# Altium PCB PCB1.PcbDoc (part 3 of 5)
Units mm, origin at the board's own origin, x right, y up, seen from the top; angles counter-clockwise.
Board outline 200 x 70 mm, 6 copper layers (Top Layer, Int1 (GND), Int2 (Sign), Int3 (Sign), Int4 (GND), Bottom Layer), stack 1.597 mm thick; 431 components, 275 nets, 1294 pads, 544 vias.
Unrouted connection lines stored in the file: 265.
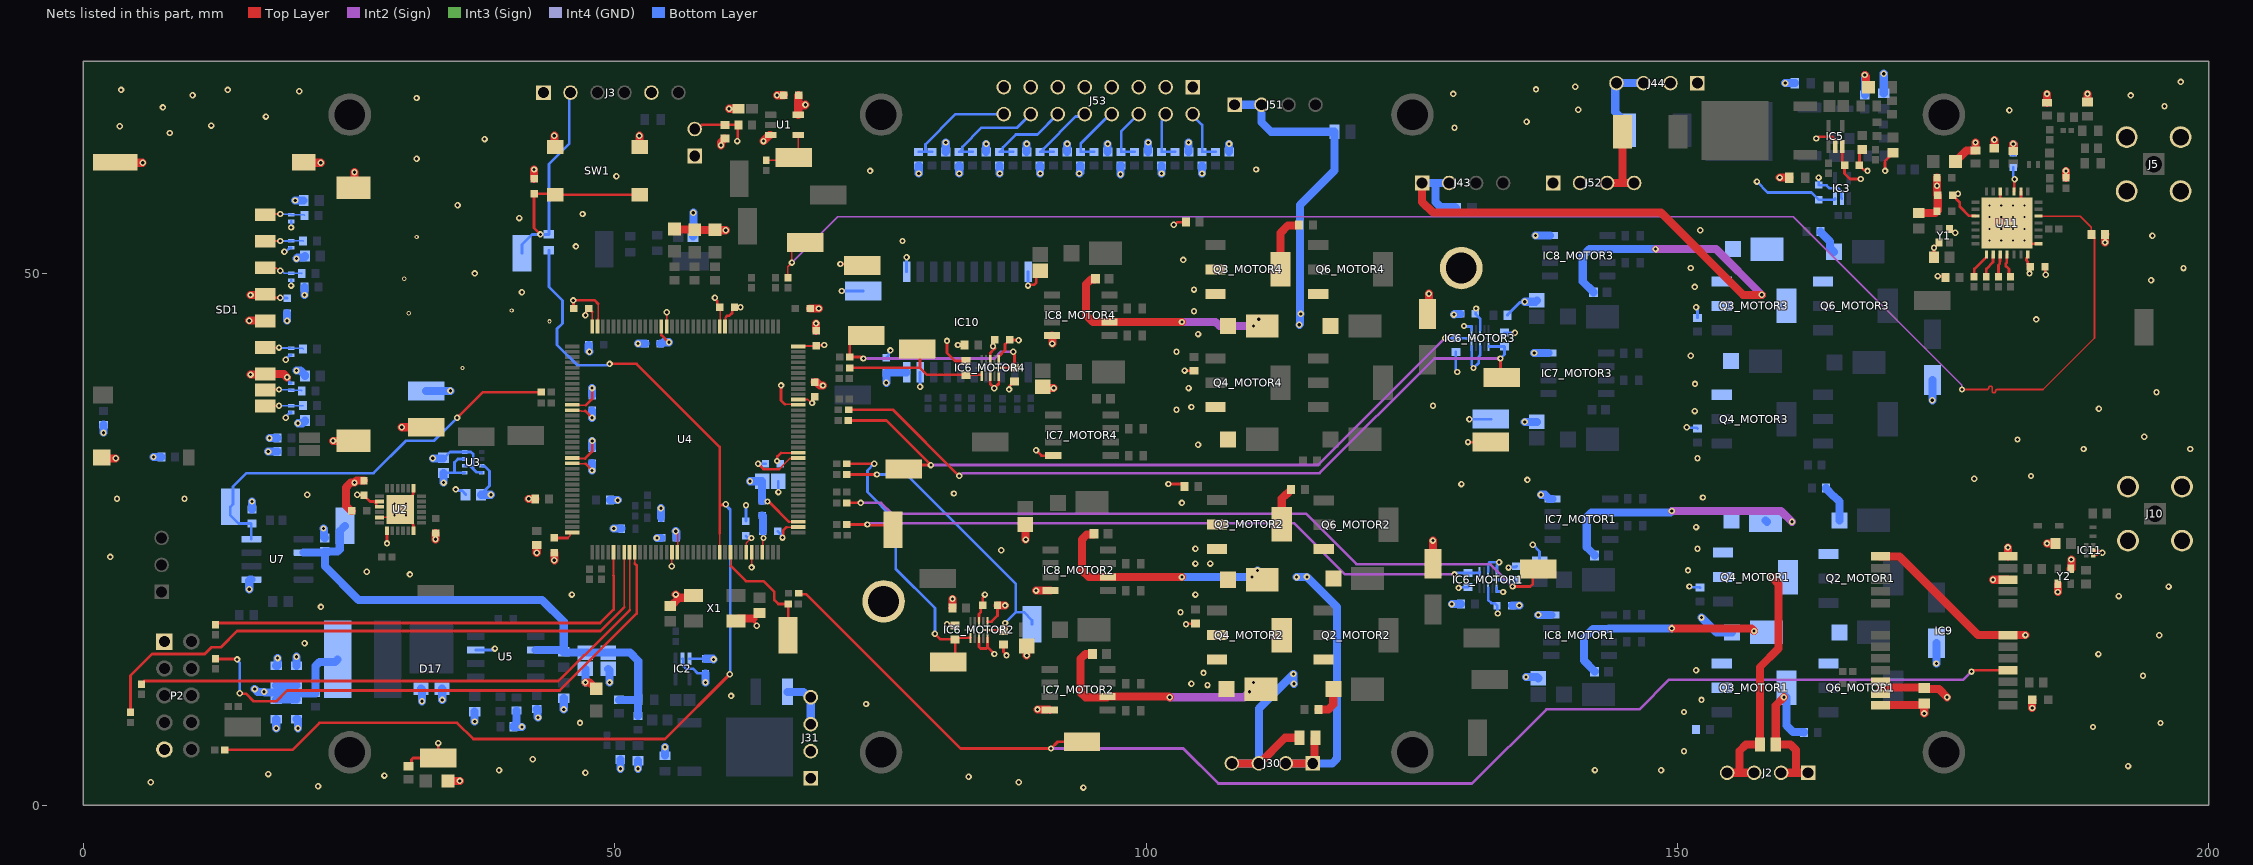
[diagram p7: the nets of this part, all layers, seen from the top]

## Part data (continued)
U4: library part CMP-1570-00007-1, "ARM-Based Cortex-M7 32 Bit MCU+FPU, 462 DMIPS, 1024 kB Flash, 320 kB RAM, 114 I/Os, -40 to 85 degC, 144-Pin LQFP, Halogen-Free, Tray", Case/Package=LQFP, Clock Frequency Max="216 MHz", Frequency=216MHz, Manufacturer=STMicroelectronics, Max Operating Temperature=85°C, Max Supply Voltage=3.6V, Min Operating Temperature=-40°C, Min Supply Voltage=1.7V, PartNumber=STM32F746ZG, Supplier Part Number 1=511-STM32F746ZGT6, Supply Voltage Max="3.6 V", Supply Voltage Min="1.7 V", Temperature Max="85 degC", Temperature Min="-40 degC", Category=Microcontrollers, ComponentLink1Description="Manufacturer URL", ComponentLink1URL=http://www.st.com/web/en/home.html, ComponentLink2Description=Datasheet, ComponentLink2URL=http://www.st.com/st-web-ui/static/active/en/resource/technical/document/datasheet/DM00166116.pdf, ComponentLink3Description="Package Specification", ComponentLink3URL=http://www.st.com/st-web-ui/static/active/en/resource/technical/document/datasheet/DM00037051.pdf, ComponentLink4Description=http://www.alliedelec.com/images/products/datasheets/bm/STMICROELECTRONICS/70612621.pdf?src-supplier=Allied+Electronics, ComponentLink4URL=http://www.alliedelec.com/images/products/datasheets/bm/STMICROELECTRONICS/70612621.pdf?src-supplier=Allied+Electronics, ComponentLink5Description=http://www.mouser.com/ds/2/389/stm32f745ie-956321.pdf?src-supplier=Mouser, ComponentLink5URL=http://www.mouser.com/ds/2/389/stm32f745ie-956321.pdf?src-supplier=Mouser, ComponentLink6Description=http://www.st.com/content/ccc/resource/technical/document/errata_sheet/4d/39/a6/8c/84/47/47/67/DM00145382.pdf/files/DM00145382.pdf/jcr:content/translations/en.DM00145382.pdf?src-supplier=Digi-Key, ComponentLink6URL=http://www.st.com/content/ccc/resource/technical/document/errata_sheet/4d/39/a6/8c/84/47/47/67/DM00145382.pdf/files/DM00145382.pdf/jcr:content/translations/en.DM00145382.pdf?src-supplier=Digi-Key, ComponentLink7Description=https://4donline.ihs.com/images/VipMasterIC/IC/SGST/SGST-S-A0001541368/SGST-S-A0001541368-1.pdf?hkey=52A5661711E402568146F3353EA87419&src-supplier=Farnell, ComponentLink7URL=https://4donline.ihs.com/images/VipMasterIC/IC/SGST/SGST-S-A0001541368/SGST-S-A0001541368-1.pdf?hkey=52A5661711E402568146F3353EA87419&src-supplier=Farnell, ComponentLink8Description=https://4donline.ihs.com/images/VipMasterIC/IC/SGST/SGST-S-A0001541368/SGST-S-A0001541368-1.pdf?hkey=52A5661711E402568146F3353EA87419&src-supplier=Newark, ComponentLink8URL=https://4donline.ihs.com/images/VipMasterIC/IC/SGST/SGST-S-A0001541368/SGST-S-A0001541368-1.pdf?hkey=52A5661711E402568146F3353EA87419&src-supplier=Newark, ComponentLink9Description=http://www.farnell.com/datasheets/2006547.pdf?src-supplier=Element14, ComponentLink9URL=http://www.farnell.com/datasheets/2006547.pdf?src-supplier=Element14, Core Architecture=ARM, Data Bus Width=32b, Data RAM Size="320 KByte", Data Rate=480Mbps, DatasheetVersion="Rev. 1", Height=1.45mm, Interface=I2C,SPI,USB,CAN,Ethernet,IrDA,SD,UART,USART,LIN,EBI/EMI, L1 Cache Data Memory="4 KByte", L1 Cache Instruction Memory="4 KByte", Lead Free="Lead Free", Length=20.2mm, Manufacturer Part Number=STM32F746ZGT6, Max Frequency=216MHz, Memory Size=1MB, Memory Type=FLASH,OTP, Mount="Surface Mount", Mounting Technology="Surface Mount", Number of ADC Channels=24, Number of I/Os=114, Number of Pins=144, Number of PWM Channels=6, Number of Timers/Counters=15, Number of USB Channels=2, Oscillator Type=Internal, PackageDescription="144-Pin Low Profile Quad Flat Package, 20 x 20 mm Body, 0.5 mm Pitch", Packaging=Tray, Packing=Tray, Peripherals="Brown-out Detect/Reset,POR,PWM,WDT,DMA,LCD", Pricing 1="1=17,14000, 10=15,76000, 25=15,10000, 50=15,10000, 100=13,31000, 250=12,66000, 500=11,83000, 1000=10,88000, 2500=10,46000, 10000=11,83000 (USD)", Program Memory Size="1024 KByte", RAM Size=320KB, REACH SVHC="No SVHC", RoHS=Yes, RoHS Compliant=Yes, Stock 1=15, Supplier 1=Mouser, Width=20.2mm
U5: library part CMP-0323-00196-3, "Buck Step Down Regulator with 3.5 to 28 V Input and 0.8 to 25 V Output, -40 to 150 degC, 8-Pin SOIC (D), Green (RoHS & no Sb/Br)", Manufacturer="Texas Instruments", Rating=Catalog, Switch Current Limit(Typ)(A)=2.3, Code_JEDEC=MS-012AA, ComponentLink1Description=Datasheet, ComponentLink1URL=http://www.ti.com/general/docs/lit/getliterature.tsp?genericPartNumber=TPS54233&fileType=pdf, ComponentLink2Description="Package Specification", ComponentLink2URL=http://www.ti.com/litv/pdf/msoi002j, ComponentLink3Description="URL Link1", ComponentLink3URL="Samples URL:http://www.ti.com/product/tps54233#samples", DatasheetVersion=SLUS859B, Duty Cycle(Max)(%)=90, Eco-Plan="Green (RoHS & no Sb/Br)", Iout(Max)(A)=2, Iq(Typ)(mA)=0.11, Mounting Technology="Surface Mount", PackageDescription="8-Pin Plastic Small Outline Integrated Circuit, 4.9 x 3.9 mm, Pitch 1.27 mm Pitch", PackageReference=D0008A, PackageVersion="revM, Jun-2011", PartNumber=TPS54233D, Regulated Outputs(#)=1, SubFamily="Step-Down Regulator", Topology=Buck, Vin(Max)(V)=28, Vin(Min)(V)=3.5, Vout(Max)(V)=25, Vout(Min)(V)=0.8
U11: library part CMP-2000-05356-1, "Low Power Long Range Transceiver, 137 to 1020 MHz, -40 to 85 degC, 28-Pin QFN, RoHS, Tape and Reel", Case/Package=VQFN, Current - Receiving=10.8mA~12mA, Current - Transmitting=20mA~120mA, Frequency=137MHz~1.02GHz, Manufacturer=Semtech, Manufacturer Part Number=SX1276IMLTRT, Max Operating Temperature=85°C, Min Operating Temperature=-40°C, Operating Supply Voltage=3.7V, Operating Temperature=-40degC~85degC, Package / Case=28-VQFNExposedPad, Package Description="28-Pin Quad Flat No-lead Package, Body 6 x 6 mm, Pitch 0.65 mm", Package Quantity=3000, Package Reference=QFN-28, Power - Output=20dBm, Standard Package=3,000, Supplier Part Number 1=947-SX1276IMLTRT, Voltage - Supply=1.8V~3.7V, Category=RF/IFandRFID, ComponentLink1Description=https://datasheet.ciiva.com/29635/sx1276-29635605.pdf?src-supplier=Digi-Key, ComponentLink1URL=https://datasheet.ciiva.com/29635/sx1276-29635605.pdf?src-supplier=Digi-Key, ComponentLink2Description=https://datasheet.ciiva.com/29635/sx1276-29635606.pdf?src-supplier=Digi-Key, ComponentLink2URL=https://datasheet.ciiva.com/29635/sx1276-29635606.pdf?src-supplier=Digi-Key, ComponentLink3Description=https://datasheet.ciiva.com/29635/sx1276-29635607.pdf?src-supplier=Digi-Key, ComponentLink3URL=https://datasheet.ciiva.com/29635/sx1276-29635607.pdf?src-supplier=Digi-Key, Data Rate=300Kbps, Data Rate (Max)=300kbps, Datasheet URL=http://www.semtech.com/images/datasheet/sx1276.pdf, Datasheet Version="Rev. 4, 03/2015", Design Resources=SX127xReferenceDesignOverviewDevelopmentToolSelector, Family=RFTransceiverICs, Featured Product=SX1276LongRangeTransceiver, GPIO=6, Interface=SPI, Lead Free="Lead Free", Manufacturer URL=http://www.semtech.com/, Memory Size=-, Mfg Application Notes=LoRaModulation:CrystalOscillatorGuidanceSX12xxSoftwareImplementationofDataWhiteningandCRCSX127xLoRaLowEnergyDesignGuideSX127xLoRaModemDesignersGuide, Modulation=FSK,GFSK,GMSK,MSK,OOK, Number of GPIO=6, Online Catalog=SX1276,SX1277andSX1278, Other Names=SX1276IMLTRTTR, Packaging=Tape&Reel(TR), PCN Design/Specification=CopperWire25/Mar/2014, Pricing 1="1=7,68000, 10=7,04000, 25=6,40000, 50=6,40000, 100=5,76000, 250=5,28000, 500=4,80000, 1000=4,76000, 3000=4,61000, 10000=4,61000 (USD)", Protocol=LoRa™, RF Family/Standard=802.15.4, RoHS=Yes, Sensitivity=-148dBm, Serial Interfaces=SPI, Series=-, Stock 1=32, Supplier 1=Mouser, Type=TxRx+MCU
X1: library part CMP-1688-00003-1, "Ceramic SMD Crystal, 16 MHz, +/- 20 ppm, 50 Ohm, -20 to 70 degC, 4-Pin SMD, RoHS, Tape and Reel", Case/Package=5028, Current Rating="1.82 A", Max Operating Temperature=105degC, Min Operating Temperature=-40degC, Package Quantity=500, Resistance="0.033 Ohm", Tolerance=30%, ComponentLink1Description="Manufacturer URL", ComponentLink1URL=http://www.abracon.com/, ComponentLink2Description=Datasheet, ComponentLink2URL=http://www.abracon.com/Resonators/abm3b.pdf, DatasheetVersion=Aug-15, Height="2.8 mm", Length="0.197 inch", Mount="Surface Mount", PackageDescription="4-Pin Surface Mount Device, Body 5 x 3.2 mm", PackageReference=ABM3B, Packaging="Tape and Reel", REACH SVHC=Unknown, RoHSCompliant=True, Shielding=Shielded, Width="0.197 inch"
Y1: "Crystal or Oscillator", Manufacturer_Name=ABRACON, Mouser Part Number=815-ABM11-32-D2XT3, Arrow Part Number=ABM11-32.000MHZ-D2X-T3, Arrow Price/Stock=https://www.arrow.com/en/products/abm11-32.000mhz-d2x-t3/abracon, Datasheet Link=https://datasheet.datasheetarchive.com/originals/dk/DKDS-11/203423.pdf, Height=0.59mm, Manufacturer_Part_Number=ABM11-32.000MHZ-D2X-T3, Mouser Price/Stock=https://www.mouser.com/Search/Refine.aspx?Keyword=815-ABM11-32-D2XT3
Y2: "Crystal or Oscillator", Manufacturer_Name=ABRACON, Mouser Part Number=815-AFS20A42-1575-T3, Datasheet Link=https://abracon.com/Filters/SAW%20FILTERS/AFS20A42-1575.42-T3.pdf, Height=0.75mm, Manufacturer_Part_Number=AFS20A42-1575.42-T3, Mouser Price/Stock=https://www.mouser.co.uk/ProductDetail/ABRACON/AFS20A42-157542-T3?qs=tfZGHB2PWd3ILM5i%252BnnrGg%3D%3D

## Free pads (board coordinates)
  round 4 hole 2.9: MECA1(25.076,64.977) MECA2(75.076,64.977) MECA3(125.076,64.977) MECA4(175.076,64.977) MECA5(25.076,4.977) MECA6(75.076,4.977) MECA7(125.076,4.977) MECA8(129.667,50.546) MECA8(175.076,4.977) MECA9(75.311,19.177)

## Via types
v1: diameter 0.6, hole 0.3, Top Layer to Bottom Layer, 518 vias
v2: diameter 0.5, hole 0.2, Top Layer to Bottom Layer, 20 vias
v3: diameter 0.4, hole 0.2, Top Layer to Bottom Layer, 6 vias

## Nets (pads, with @x,y where several pads share a name; then routed paths per layer and width w, separated by ;. In a path a pad name is that pad's centre, name@x,y a point inside that pad or via, vN(x,y) a via of type N, cw(c..) or ccw(c..) an arc to the next point about the centre after c; other vN are vias at no path point)
+3V3: C2.1 C4.1 C7.1 C8.2 C11.1 C12.1 C13.2 C15.2 C16.1 C19.1 C20.1 C21.1 C22.1 C23.1 C24.1 C25.1 C26.1 C27.1 C28.1 C29.1 C42.1 C44.1 C45.1 C51.1 C52.1 C54.1 C57_MOTOR1.1 C57_MOTOR2.1 C57_MOTOR3.1 C57_MOTOR4.1 C62.1 C64.1 C81.1 FB1.1 IC2.3 IC3.3 IC5.3 IC6_MOTOR1.9 IC6_MOTOR2.9 IC6_MOTOR3.9 IC6_MOTOR4.9 IC9.22 IC9.23 IC10.20 J3.05 J6.1 L2.2 P2.9 R3.2 R12.2 R13.2 R14.2 R15.2 R16.2 R17.2 R31.2 R32.2 R48.2 R106.2 R108_MOTOR1.2 R108_MOTOR2.2 R108_MOTOR3.2 R108_MOTOR4.2 R111_MOTOR1.2 R111_MOTOR2.2 R111_MOTOR3.2 R111_MOTOR4.2 R115.2 R119.2 R120.2 R144.2 R147.2 R148.2 R149.2 R150.2 R155.2 R156.2 R157.2 R158.2 R163.2 R164.2 R165.2 R166.2 R167.2 SD1.4 U1.5 U2.8 U2.9 U2.13 U3.2 U3.6 U3.8 U4.17 U4.30 U4.39 U4.52 U4.62 U4.72 U4.84 U4.95 U4.108 U4.121 U4.131 U4.144 U11.3 U11.14 U11.24 | length 149.4
  Top Layer w0.156: 45.593,25.146 45.796,25.349 45.796,25.57 45.893,25.667 U4.144@46.017,25.667 ; U4.131@46.017,32.167 46.053,32.131 47.244,32.131 ; U4.121@46.017,37.167 46.064,37.12 46.807,37.12 46.843,37.084 47.244,37.084 ; C24.1@47.879,46.42 47.879,45.055 U4.108@47.892,45.042 ; 54.392,44.23 U4.95@54.392,45.042 ; U4.17@55.892,23.792 55.939,23.839 v1@55.939,25.595 ; C26.1@59.879,46.863 59.939,46.803 59.939,45.089 U4.84@59.892,45.042 ; U4.30@62.392,23.792 62.392,24.673 v1(62.865,25.146) ; 65.659,33.147 67.247,33.147 U4.52@67.267,33.167 ; U4.62@67.267,38.167 68.177,38.167 68.498,37.846 v1(68.58,37.846) ; U4.72@67.267,43.167 67.304,43.204 68.923,43.204 C27.1@68.961,43.242
  Top Layer w0.165: 66.424,26.667 U4.39@67.267,26.667
  Top Layer w0.254: v1(25.781,29.21) 25.813,29.178 26.383,29.178 C7.1@26.416,29.145 26.981,28.58 U2.8@27.855,28.58 ; 27.418,28.578 27.418,28.516 27.557,28.378 27.557,28.128 27.605,28.08 U2.9@27.855,28.08 ; v1(28.575,24.638) 28.577,24.64 28.577,25.557 28.58,25.559 U2.13@28.58,25.83 ; R48.2@30.607,3.673 30.617,3.673 30.89,3.946 30.89,4.296 31.038,4.445 J6.1@33.401,4.445 v1(33.401,5.842) ; C21.1@44.323,25.146 45.593,25.146 ; 47.244,32.131 v1(47.879,31.496) ; 47.244,37.084 v1(47.879,36.449) ; v1(47.244,46.101) 47.244,46.195 47.34,46.291 47.34,46.513 C24.1@47.563,46.736 C24.1@47.879,46.42 ; 54.392,44.23 55.061,43.561 v1(55.118,43.561) ; v1(55.753,25.781) 55.753,25.687 v1@55.838,25.602 ; v1(59.436,47.752) 59.436,47.658 59.656,47.438 59.656,47.086 C26.1@59.879,46.863 ; v1(64.389,28.575) 64.483,28.575 64.647,28.411 64.68,28.411 66.424,26.667 ; v1(65.278,32.385) 65.315,32.422 65.315,32.803 65.659,33.147 ; v1(68.58,37.846) 68.646,37.912 68.646,38.228 C28.1@68.834,38.416 ; C27.1@68.961,43.242 68.993,43.274 69.69,43.274 v1(69.723,43.307) ; v1(81.28,17.018) 81.336,16.962 81.986,16.962 R108_MOTOR2.2@82.042,16.906 ; v1(81.28,43.688) 81.28,42.545 82.027,41.798 R108_MOTOR4.2@83.058,41.798 ; IC6_MOTOR2.9@84.29,17.248 84.29,17.996 84.455,18.161 84.455,18.622 C57_MOTOR2.1@84.629,18.796 84.629,19.511 84.836,19.718 v1(84.836,19.812) ; IC6_MOTOR4.9@85.344,41.898 85.344,42.535 85.471,42.662 85.471,42.672 v1@85.787,42.988 ; v1(85.598,43.18) 85.664,43.246 85.664,43.692 C57_MOTOR4.1@85.787,43.815 ; R111_MOTOR2.2@86.599,15.098 86.599,14.406 86.868,14.137 v1(86.868,14.097) ; v1(87.119,39.125) 87.185,39.191 87.185,39.468 87.58,39.863 R111_MOTOR4.2@87.63,39.863 ; IC5.3@165.511,61.981 165.511,60.422 C12.1@165.735,60.198 165.735,59.436 166.243,58.928 v1(167.259,58.928) ; v1(174.498,49.784) 175.118,49.784 R32.2@175.245,49.657 ; v1(176.403,57.531) 176.339,57.468 175.962,57.468 C44.1@175.898,57.404 176.575,56.727 176.575,56.343 177.463,55.455 178.031,55.455 U11.3@178.054,55.432 ; U11.24@181.679,57.757 181.702,57.78 181.702,58.861 v1(181.737,58.896) ; U11.14@182.979,51.807 182.979,51.582 182.852,51.455 182.852,51.247 182.973,51.126 182.973,50.896 C42.1@183.196,50.673 183.165,50.642 183.165,50.069 v1(183.134,50.038)
  Top Layer w0.762: v1(15.621,45.593) 17.095,45.593 SD1.4@17.122,45.566 ; v1(41.91,28.829) R16.2@42.53,28.829 ; v1(42.672,23.749) R17.2@42.672,24.496 ; v1(60.008,62.103) 60.008,62.38 60.351,62.723 R106.2@60.389,62.723 ; U1.5@67.277,64.958 67.277,65.862 ; C54.1@67.312,66.802 67.277,66.767 67.277,65.862 ; v1(67.945,65.913) 67.894,65.862 67.277,65.862 ; IC9.23@169.102,10.509 169.102,11.059 ; IC9.22@169.102,11.609 169.102,11.059 ; v1(175.387,10.16) 174.629,10.918 173.322,10.918 C15.2@173.228,11.012 173.181,11.059 169.102,11.059 ; v1(190.246,52.959) 190.255,52.968 190.255,53.715 R31.2@190.261,53.721
  Bottom Layer w0.254: C13.2@33.909,31.242 33.95,31.283 34.927,31.283 ; U3.8@35.903,31.283 34.927,31.283 ; U3.6@35.903,32.583 35.25,32.583 34.927,32.26 34.927,31.283 ; C8.2@37.428,29.21 37.428,29.26 38.227,30.059 38.227,31.446 37.788,31.885 37.551,31.885 U3.2@37.503,31.933 ; IC2.3@57.038,13.777 57.042,13.781 C2.1@58.547,13.781 ; C19.1@62.357,25.335 62.48,25.212 62.799,25.212 v1(62.865,25.146) ; FB1.1@63.881,28.615 63.901,28.595 64.369,28.595 v1(64.389,28.575) ; R111_MOTOR3.2@129.159,42.657 129.159,40.988 129.286,40.861 v1(129.286,40.767) ; v1(129.413,20.447) 129.463,20.497 130.252,20.497 R108_MOTOR1.2@130.302,20.547 ; v1(131.064,46.736) 131.033,46.705 131.033,46.259 C57_MOTOR3.1@131.002,46.228 131.445,45.785 IC6_MOTOR3.9@131.445,44.692 ; IC6_MOTOR1.9@132.196,20.459 132.196,19.315 132.504,19.007 132.808,19.007 C57_MOTOR1.1@133.031,18.784 133.063,18.752 133.063,18.067 v1(133.096,18.034) ; R108_MOTOR3.2@133.731,44.465 133.739,44.457 134.705,44.457 v1(134.712,44.45) ; v1(134.112,22.352) 134.177,22.417 134.809,22.417 R111_MOTOR1.2@134.874,22.482 ; v1(157.48,58.674) 158.496,57.658 162.622,57.658 C11.1@163.322,56.958 164.758,56.958 164.831,57.031 IC3.3@164.831,57.089 ; C45.1@181.61,60.006 181.61,59.117 181.737,58.99 v1(181.737,58.896)
  Bottom Layer w0.762: v1(1.905,35.052) R12.2@1.905,35.799 ; v1(6.604,32.766) R13.2@7.351,32.766 ; R115.2@15.875,27.813 v1(15.875,28.575) ; v1(16.129,10.922) 16.383,10.668 v1(17.018,10.668) 17.081,10.604 19.993,10.604 20.066,10.531 R3.2@21.844,10.531 21.844,13.081 22.225,13.462 23.685,13.462 L2.2@23.939,13.716 ; v1(17.399,33.274) R15.2@18.273,33.274 ; v1(17.526,34.544) R14.2@18.273,34.544 ; C62.1@18.161,9.942 C51.1@20.066,9.942 ; C52.1@18.161,11.267 C4.1@20.066,11.267 ; v1(19.177,45.593) C16.1@19.177,46.29 ; v1(19.939,56.896) R163.2@20.738,56.896 ; v1(20.066,40.894) 20.432,40.894 20.865,40.461 R165.2@20.865,40.386 ; v1(20.066,51.435) 20.176,51.545 20.796,51.545 20.865,51.614 R166.2@20.865,51.689 ; v1(20.193,35.941) 20.611,35.941 20.721,36.051 20.796,36.051 20.865,36.12 R164.2@20.865,36.195 ; R167.2@20.813,48.768 20.819,48.762 20.819,48.015 v1(20.828,48.006) ; v1(33.909,30.353) C13.2@33.909,31.242 ; C8.2@37.428,29.21 v1(38.354,29.21) ; v1(47.879,31.496) C22.1@47.879,32.193 ; v1(47.879,36.449) C23.1@47.879,37.146 ; v1(49.911,26.035) R119.2@50.658,26.035 ; C25.1@54.294,43.434 54.483,43.434 54.61,43.561 v1(55.118,43.561) ; v1(54.356,27.94) 54.356,27.066 R120.2@54.371,27.051 ; v1(55.753,25.781) 55.818,25.716 C20.1@55.818,25.146 ; R144.2@57.376,53.538 57.404,53.566 v1(57.404,55.753) ; C2.1@58.547,13.781 59.244,13.781 v1(59.309,13.716) ; v1(62.738,30.48) C64.1@63.879,30.48 63.881,30.478 FB1.1@63.881,28.615 ; v1(75.565,39.751) C81.1@75.565,40.702 77.439,40.702 77.47,40.733 IC10.20@77.47,40.741 ; v1(78.613,59.436) R147.2@78.613,60.183 ; v1(82.423,59.436) R148.2@82.423,60.183 ; v1(86.233,59.436) R149.2@86.233,60.183 ; v1(90.043,59.436) R150.2@90.043,60.183 ; v1(93.726,59.436) 93.809,59.519 93.809,60.177 93.815,60.183 R155.2@93.853,60.183 ; v1(97.6,59.372) 97.619,59.392 97.619,60.177 97.625,60.183 R156.2@97.663,60.183 ; v1(101.473,59.436) R157.2@101.473,60.183 ; v1(105.283,59.436) R158.2@105.283,60.183
  other v1: 94.107,1.651 22.098,1.778 6.35,2.159 83.312,2.667 17.399,2.921 47.244,3.048 142.24,3.302 42.291,4.318 46.736,7.747 73.66,9.525 20.828,15.24 45.974,19.812 30.734,21.717 2.54,23.368 3.175,28.829 9.525,28.829 21.082,29.21 135.89,30.607 41.275,48.26 36.83,50.038 46.355,52.578 77.089,53.086 35.224,56.45 50.165,59.182 74.041,59.69 110.363,59.817 31.369,60.833 129.032,63.754 3.429,63.881 140.671,65.434 7.493,65.659 31.369,66.548 128.905,66.929 13.589,67.31 136.701,67.354
+3V3_A: C65.1 FB1.2 U4.33 | length 3.6
  Top Layer w0.156: U4.33@63.892,23.792 63.939,23.839 63.939,25.077 v1(64.008,25.146)
  Bottom Layer w0.254: C65.1@63.943,25.781 63.976,25.748 63.976,25.178 v1(64.008,25.146)
  Bottom Layer w0.762: FB1.2@63.881,27.265 63.943,27.203 C65.1@63.943,25.781
+9V: C60.2 C63.1 C66.1 J4.1 R1.2 R30.2 R86.2 R87.2 U5.2 U7.2 | length 51.9
  Bottom Layer w0.762: U7.2@20.726,23.765 22.612,23.765 22.708,23.861 C60.2@22.733,23.861 ; J4.1@24.638,26.289 24.129,25.78 24.129,24.052 23.938,23.861 C60.2@22.733,23.861 ; U5.2@42.576,14.605 44.973,14.605 45.137,14.441 R1.2@45.212,14.441 ; R30.2@50.419,9.906 R86.2@52.221,9.906 ; R87.2@52.197,8.397 52.197,9.782 52.221,9.806 R86.2@52.221,9.906 ; C60.2@22.733,23.861 22.733,22.479 25.908,19.304 43.18,19.304 45.212,17.272 R1.2@45.212,14.441 ; R1.2@45.212,14.441 45.287,14.441 45.375,14.353 C66.1@47.244,14.353 C63.1@49.403,14.353 51.433,14.353 52.221,13.565 R86.2@52.221,9.906
+VBAT: F1.1 J31.03 J31.04 | length 4.9
  Bottom Layer w0.762: F1.1@66.27,10.668 67.78,10.668 68.288,10.16 J31.04@68.453,10.16 J31.03@68.453,7.62
+VBAT_MOTOR1: F2.1 J44.03 J44.04 | length 7.3
  Bottom Layer w0.762: J44.04@144.156,67.807 144.156,65.242 145.213,64.185 F2.1@145.213,63.5 ; J44.04@144.272,67.945 145.542,67.945 J44.03@146.812,67.945
+VBAT_MOTOR2: F3.1 J52.03 J52.04 | length 7.4
  Top Layer w0.762: J52.03@143.383,58.547 144.653,58.547 ; F3.1@144.832,63.373 144.832,58.726 144.653,58.547 ; J52.04@145.923,58.547 144.653,58.547
\CS_RADIO: J9.1 R31.1 R34.2 U11.19 | length 154.4
  Top Layer w0.156: R34.2@66.294,49.624 66.294,50.673 v1(66.675,51.054) 66.675,52.147 67.487,52.959 J9.1@67.945,52.959 ; v1(176.784,39.116) 179.07,39.116 179.148,39.116 ccw(c179.148,39.273) 179.305,39.273 cw(c179.463,39.273) 179.463,39.43 cw(c179.463,39.273) 179.62,39.273 179.62,38.959 ccw(c179.777,38.959) 179.777,38.802 ccw(c179.777,38.959) 179.934,38.959 cw(c180.091,38.959) 180.091,39.116 180.34,39.116 184.414,39.116 189.258,43.959 189.258,53.424 R31.1@188.961,53.721 188.961,54.381 187.91,55.432 U11.19@184.004,55.432
  Int2 (Sign) w0.159: v1(66.675,51.054) 70.993,55.372 160.916,55.372 176.756,39.532 176.756,39.144 v1(176.784,39.116)
\RST: C31.1 J3.02 J62.1 R105.2 SW1.1 SW1.2 | length 32
  Top Layer w0.254: v1(43.015,53.709) 42.418,54.306 C31.1@42.418,57.531 44.321,57.531 SW1.2@44.412,57.44 SW1.1@52.362,57.44
  Bottom Layer w0.254: J62.1@41.275,51.943 41.275,52.768 42.216,53.709 v1(43.015,53.709) R105.2@43.815,53.709 43.815,60.325 45.72,62.23 45.72,66.929 J3.02@45.847,67.056
\RST_GPS: J69.1 R33.1 U4.27 | length 11.6
  Top Layer w0.156: U4.27@60.892,23.792 60.939,23.745 60.939,22.5
  Top Layer w0.254: 60.939,22.5 62.357,21.082 64.008,21.082 65.024,20.066 65.024,19.304 65.405,18.923 R33.1@66.327,18.923 66.327,16.035 J69.1@66.294,16.002
\RST_ihm: R11.2 R105.1 U4.25 | length 107.5
  Top Layer w0.156: U4.25@59.892,23.792 59.892,25.588
  Top Layer w0.254: R11.2@13.302,5.207 19.685,5.207 22.225,7.747 35.179,7.747 36.703,6.223 54.737,6.223 v1(60.833,12.319) ; v1(49.53,41.529) 52.07,41.529 59.883,33.716 59.883,28.194 ; 59.892,25.588 59.883,25.597 59.883,28.194 ; v1(60.452,28.321) 60.386,28.255 59.944,28.255 59.883,28.194
  Bottom Layer w0.254: R105.1@43.815,52.209 43.815,48.768 45.085,47.498 45.085,45.339 44.577,44.831 44.577,43.307 46.482,41.402 v1@49.53,41.402 ; v1(60.452,28.321) 60.452,28.227 60.879,27.8 60.879,12.365 v1(60.833,12.319)
AERO_CON: J1.02 R106.1 R107.2 | length 5.9
  Top Layer w0.254: J1.02@57.531,63.627 57.833,63.627 58.229,64.023 R106.1@60.389,64.023 61.629,64.023 R107.2@61.644,64.008 61.588,63.952 61.588,62.54 v1(61.532,62.484)
AEROCONTACT: J23.1 R46.2 U1.4 | length 5.7
  Top Layer w0.156: R46.2@64.262,60.673 J23.1@66.866,60.673 ; J23.1@66.866,60.96 J23.1@66.866,60.673 ; U1.4@67.277,63.058 67.277,60.673 J23.1@66.866,60.673
BUZZER: J49.1 R59.2 R115.1 U7.8 | length 39.2
  Top Layer w0.254: v1(35.179,36.449) 37.592,38.862 R59.2@43.086,38.862
  Bottom Layer w0.254: U7.8@15.816,25.035 15.816,26.454 15.757,26.513 14.606,26.513 13.843,27.276 J49.1@13.843,28.067 14.097,28.321 14.097,29.972 15.367,31.242 27.305,31.242 30.353,34.29 33.02,34.29 v1(35.179,36.449)
CLK_SD: D9.2 R170.2 SD1.5 | length 3.6
  Top Layer w0.156: SD1.5@17.122,43.066 17.135,43.053 v1(18.415,43.053)
  Bottom Layer w0.156: v1(18.415,43.053) 18.443,43.025 19.53,43.025 D9.2@19.558,42.997 20.615,42.997 R170.2@20.686,42.926
CMD_SD: D10.2 R169.2 SD1.2 | length 3.7
  Top Layer w0.156: SD1.2@17.122,50.566 17.142,50.546 18.168,50.546 18.422,50.292 v1(18.542,50.292)
  Bottom Layer w0.156: v1(18.542,50.292) 18.662,50.292 18.901,50.053 D10.2@19.558,50.053 20.544,50.053 R169.2@20.559,50.038
DATA0_SD: D8.2 R171.2 SD1.7 | length 3.5
  Top Layer w0.156: SD1.7@17.122,39.066 17.171,39.116 v1(18.415,39.116)
  Bottom Layer w0.156: v1(18.415,39.116) 18.451,39.08 19.523,39.08 D8.2@19.558,39.045 20.503,39.045 R171.2@20.559,38.989
DATA1_SD: D7.2 R172.2 SD1.8 | length 3.6
  Top Layer w0.156: SD1.8@17.122,37.566 17.147,37.592 v1(18.415,37.592)
  Bottom Layer w0.156: v1(18.415,37.592) D7.2@19.558,37.592 R172.2@20.686,37.592
DATA2_SD: D1.2 R173.2 SD1.9 | length 3.8
  Top Layer w0.156: SD1.9@17.122,55.566 17.181,55.626 v1(18.542,55.626)